# Altium PCB NFC-Reader.PcbDoc (part 2 of 3)
Units mil, origin at the board's own origin, x right, y up, seen from the top; angles counter-clockwise.
Board outline 3750 x 2300 mil, 4 copper layers (L1, L2 (GND), L3(PWR), L4), stack 61.583 mil thick; 132 components, 82 nets, 420 pads, 665 vias.
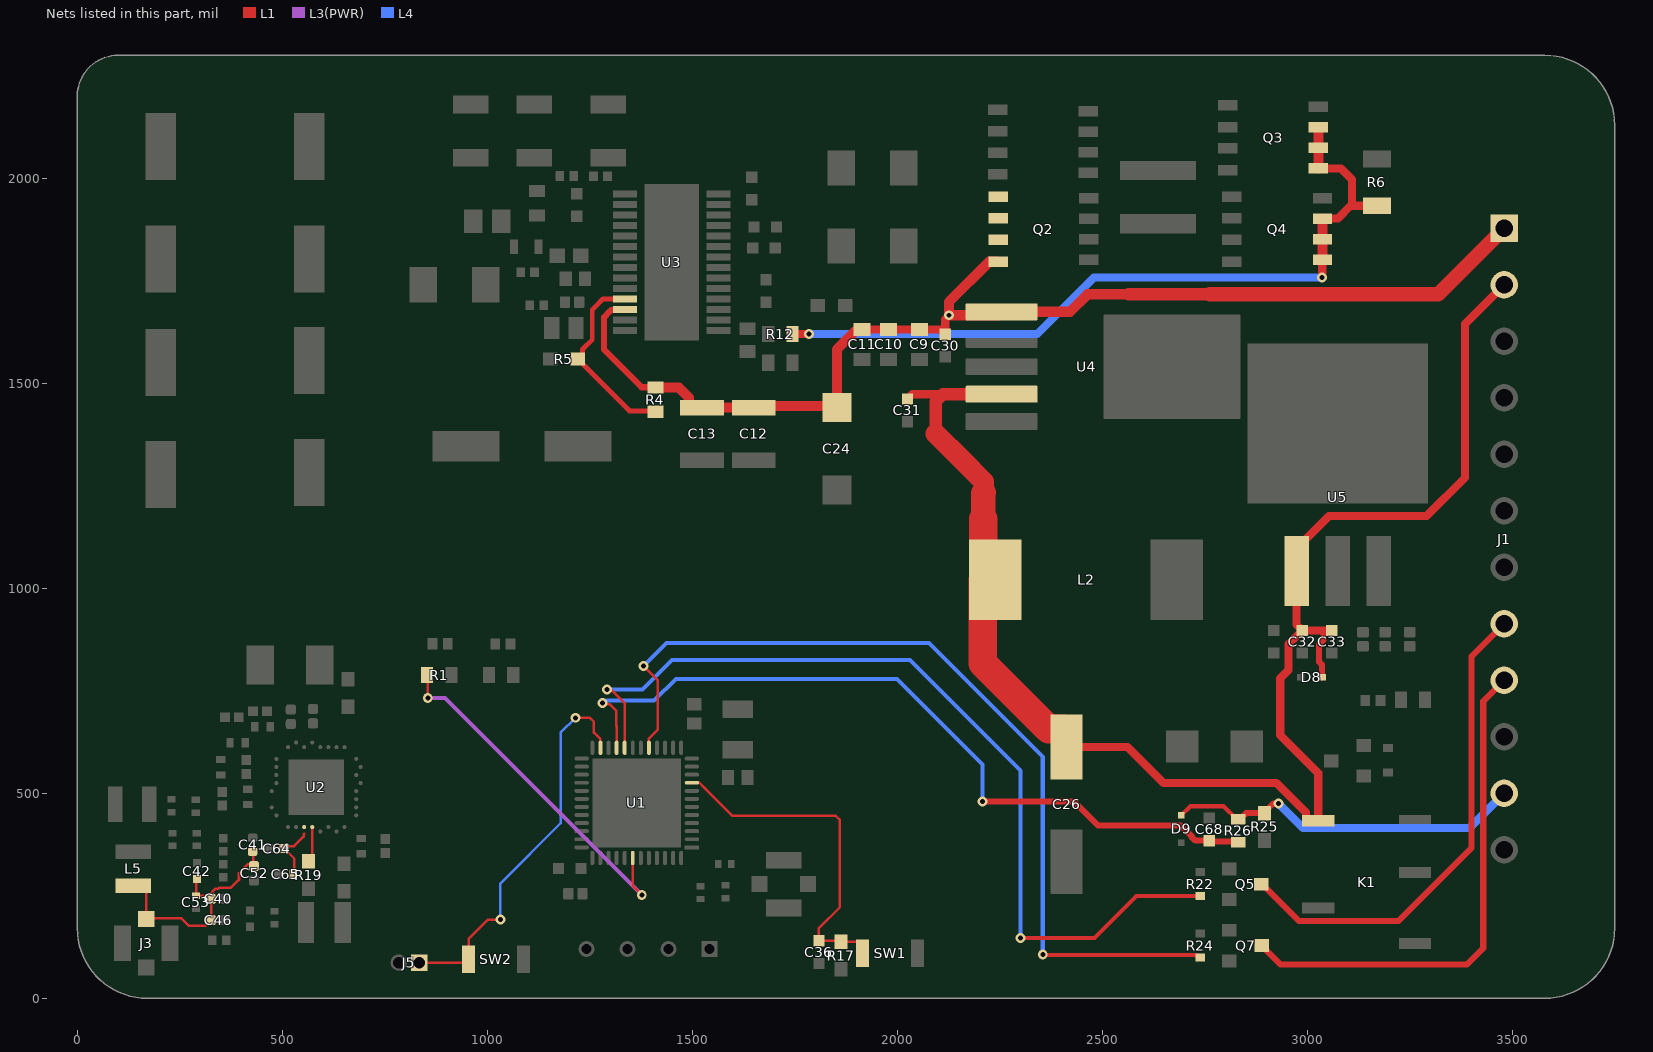
[diagram p4: the nets of this part, all layers, seen from the top]

## Part data (continued)
C18: library part C0603C153J3GACTU, "15nF ±5% 25V Ceramic Capacitor C0G, NP0 0603 (1608 Metric)", Case Code (Imperial)=0603, Case Code (Metric)=1608, Dielectric=C0G, Dielectric Material=Ceramic, Manufacturer=KEMET, Max Operating Temperature=125°C, Min Operating Temperature=-55°C, Temperature Coefficient=30ppm/°C, Tolerance=5%, Voltage=25V, Case/Package=0603, Category="Ceramic Capacitors", China RoHS=Compliant, ComponentLink1Description=https://datasheet.octopart.com:443/C0603C153J3GACTU-KEMET-datasheet-178132257.pdf?src-supplier=IHS, ComponentLink1URL=https://datasheet.octopart.com:443/C0603C153J3GACTU-KEMET-datasheet-178132257.pdf?src-supplier=IHS, ComponentLink2Description=https://datasheet.octopart.com:443/C0603C153J3GAC7867-KEMET-datasheet-10540709.pdf?src-supplier=IHS, ComponentLink2URL=https://datasheet.octopart.com:443/C0603C153J3GAC7867-KEMET-datasheet-10540709.pdf?src-supplier=IHS, ComponentLink3Description=https://datasheet.octopart.com:443/C0603C153J3GACTU-KEMET-datasheet-137357764.pdf?src-supplier=Upverter, ComponentLink3URL=https://datasheet.octopart.com:443/C0603C153J3GACTU-KEMET-datasheet-137357764.pdf?src-supplier=Upverter, ComponentLink4Description=https://datasheet.octopart.com:443/C0603C153J3GACTU-KEMET-datasheet-68331921.pdf?src-supplier=Farnell, ComponentLink4URL=https://datasheet.octopart.com:443/C0603C153J3GACTU-KEMET-datasheet-68331921.pdf?src-supplier=Farnell, ComponentLink5Description=https://datasheet.octopart.com:443/C0603C153J3GACTU-KEMET-datasheet-102648314.pdf?src-supplier=Farnell, ComponentLink5URL=https://datasheet.octopart.com:443/C0603C153J3GACTU-KEMET-datasheet-102648314.pdf?src-supplier=Farnell, ComponentLink6Description=https://datasheet.octopart.com:443/C0603C153J3GACTU-Kemet-datasheet-5308203.pdf?src-supplier=Farnell, ComponentLink6URL=https://datasheet.octopart.com:443/C0603C153J3GACTU-Kemet-datasheet-5308203.pdf?src-supplier=Farnell, ComponentLink7Description=https://datasheet.octopart.com:443/C0603C153J3GACTU-KEMET-datasheet-176289261.pdf?src-supplier=element14+APAC, ComponentLink7URL=https://datasheet.octopart.com:443/C0603C153J3GACTU-KEMET-datasheet-176289261.pdf?src-supplier=element14+APAC, ComponentLink8Description=https://datasheet.octopart.com:443/C0603C153J3GACTU-KEMET-datasheet-178087916.pdf?src-supplier=element14+APAC, ComponentLink8URL=https://datasheet.octopart.com:443/C0603C153J3GACTU-KEMET-datasheet-178087916.pdf?src-supplier=element14+APAC, ComponentLink9Description=https://datasheet.octopart.com:443/C0603C153J3GACTU-Kemet-datasheet-66093294.pdf?src-supplier=element14+APAC, ComponentLink9URL=https://datasheet.octopart.com:443/C0603C153J3GACTU-Kemet-datasheet-66093294.pdf?src-supplier=element14+APAC, ComponentLink10Description=https://datasheet.octopart.com:443/C0603C153J3GACTU-Kemet-datasheet-66634713.pdf?src-supplier=element14+APAC, ComponentLink10URL=https://datasheet.octopart.com:443/C0603C153J3GACTU-Kemet-datasheet-66634713.pdf?src-supplier=element14+APAC, ComponentLink11Description=https://datasheet.octopart.com:443/C0603C153J3GACTU-KEMET-datasheet-157246123.pdf?src-supplier=Electro+Sonic, ComponentLink11URL=https://datasheet.octopart.com:443/C0603C153J3GACTU-KEMET-datasheet-157246123.pdf?src-supplier=Electro+Sonic, ComponentLink12Description=https://datasheet.octopart.com:443/C0603C153J3GACTU-KEMET-datasheet-176142193.pdf?src-supplier=Newark, ComponentLink12URL=https://datasheet.octopart.com:443/C0603C153J3GACTU-KEMET-datasheet-176142193.pdf?src-supplier=Newark, ComponentLink13Description=https://datasheet.octopart.com:443/C0603C153J3GACTU-KEMET-datasheet-101575703.pdf?src-supplier=Newark, ComponentLink13URL=https://datasheet.octopart.com:443/C0603C153J3GACTU-KEMET-datasheet-101575703.pdf?src-supplier=Newark, ComponentLink14Description=https://datasheet.octopart.com:443/C0603C153J3GACTU-Kemet-datasheet-62307647.pdf?src-supplier=Newark, ComponentLink14URL=https://datasheet.octopart.com:443/C0603C153J3GACTU-Kemet-datasheet-62307647.pdf?src-supplier=Newark, ComponentLink15Description=https://datasheet.octopart.com:443/C0603C153J3GACTU-Kemet-datasheet-67830794.pdf?src-supplier=TME, ComponentLink15URL=https://datasheet.octopart.com:443/C0603C153J3GACTU-Kemet-datasheet-67830794.pdf?src-supplier=TME, ComponentLink16Description=https://datasheet.octopart.com/C0603C153J3GACTU-KEMET-datasheet-84169754.pdf, ComponentLink16URL=https://datasheet.octopart.com/C0603C153J3GACTU-KEMET-datasheet-84169754.pdf, ComponentLink17Description=https://datasheet.octopart.com:443/C0603C153J3GACTU-Kemet-datasheet-60243840.pdf?src-supplier=RS+(Formerly+Allied+Electronics), ComponentLink17URL=https://datasheet.octopart.com:443/C0603C153J3GACTU-Kemet-datasheet-60243840.pdf?src-supplier=RS+(Formerly+Allied+Electronics), Contact Plating=Tin, Depth=800µm, Dissipation Factor=0.1%, Height=800µm, Lead Free="Lead Free", Length=1.6mm, Lifecycle Status=Production, Manufacturer Part Number=C0603C153J3GACTU, Material=Ceramic, Mounting Technology="Surface Mount", Number of Terminals=2, Packaging="Cut Tape", Pins=2, Pricing="1=0.37, 10=0.221, 50=0.163, 100=0.1376, 500=0.10484, 1000=0.0951 (USD)", REACH SVHC=Yes, RoHS=Compliant, Schedule B="8532240020, 8532240020|8532240020, 8532240020|8532240020|8532240020, 8532240020|8532240020|8532240020|8532240020", Stock=20065, Supplier=DigiKey, Termination=SMD/SMT, Thickness=863.6µm, Voltage Rating=25V, Voltage Rating (DC)=25V, Width=800µm
C19: library part KGM15ACG1H470JT, "47 pF ±5% 50V Ceramic Capacitor C0G, NP0 0603 (1608 Metric)", Dielectric Material=Ceramic, LCSC PN=C513324, Manufacturer="KYOCERA AVX", Max Operating Temperature=125°C, Min Operating Temperature=-55°C, Voltage Rating (DC)=50V, Category="Ceramic Capacitors", China RoHS=Compliant, ComponentLink1Description=https://datasheet.octopart.com:443/KGM15ACG1H470JT-KYOCERA-AVX-datasheet-182064292.pdf?src-supplier=IHS, ComponentLink1URL=https://datasheet.octopart.com:443/KGM15ACG1H470JT-KYOCERA-AVX-datasheet-182064292.pdf?src-supplier=IHS, ComponentLink2Description=https://datasheet.octopart.com:443/KGM15ACG1H470JT-KYOCERA-AVX-datasheet-178027269.pdf?src-supplier=TME, ComponentLink2URL=https://datasheet.octopart.com:443/KGM15ACG1H470JT-KYOCERA-AVX-datasheet-178027269.pdf?src-supplier=TME, Height=900µm, Length=1.6mm, Lifecycle Status=Production, Manufacturer Part Number=KGM15ACG1H470JT, Mounting Technology="Surface Mount", Number of Terminals=2, Pricing="1=0.1, 10=0.038, 50=0.0258, 100=0.0221, 500=0.0159, 1000=0.014 (USD)", REACH SVHC=Yes, RoHS=Compliant, Stock=45031, Supplier=DigiKey, Width=810µm
C21: library part CGA2B3X7R1H103K050BE, "10000 pF ±10% 50V Ceramic Capacitor X7R 0402 (1005 Metric)", Case Code (Imperial)=0402, Case Code (Metric)=1005, Dielectric Material=Ceramic, LCSC PN=C248318, Manufacturer=TDK, Manufacturer Lifecycle Status=PRODUCTION, Max Operating Temperature=125°C, Min Operating Temperature=-55°C, Ratings=AEC-Q200, Tolerance=10%, Voltage Rating=50V, Case/Package=0402, Category="Ceramic Capacitors", China RoHS=Compliant, ComponentLink1Description=https://datasheet.octopart.com:443/CGA2B3X7R1H103K050BE-TDK-datasheet-153441518.pdf?src-supplier=ODG+(Origin+Data+Global), ComponentLink1URL=https://datasheet.octopart.com:443/CGA2B3X7R1H103K050BE-TDK-datasheet-153441518.pdf?src-supplier=ODG+(Origin+Data+Global), ComponentLink2Description=https://datasheet.octopart.com:443/CGA2B3X7R1H103K050BE-TDK-datasheet-57863114.pdf?src-supplier=Upverter, ComponentLink2URL=https://datasheet.octopart.com:443/CGA2B3X7R1H103K050BE-TDK-datasheet-57863114.pdf?src-supplier=Upverter, ComponentLink3Description=https://datasheet.octopart.com:443/CGA2B3X7R1H103K050BE-TDK-datasheet-165583812.pdf?src-supplier=TME, ComponentLink3URL=https://datasheet.octopart.com:443/CGA2B3X7R1H103K050BE-TDK-datasheet-165583812.pdf?src-supplier=TME, ComponentLink4Description=https://datasheet.octopart.com:443/CGA2B3X7R1H103K050BE-TDK-datasheet-41194876.pdf?src-supplier=Future+Electronics, ComponentLink4URL=https://datasheet.octopart.com:443/CGA2B3X7R1H103K050BE-TDK-datasheet-41194876.pdf?src-supplier=Future+Electronics, Features="Soft Termination", Height=500µm, Length=1mm, Lifecycle Status=Production, Manufacturer Part Number=CGA2B3X7R1H103K050BE, Material=Ceramic, Max Length=1.15mm, Max Width=600µm, Min Length=950µm, Min Width=450µm, Mounting Technology="Surface Mount", Number of Terminals=2, Pricing="1=0.16, 10=0.089, 50=0.0628, 100=0.0548, 500=0.0413, 1000=0.03714, 2500=0.03276, 5000=0.03082, 10000=0.02851, 20000=0.02751, 30000=0.02335, 50000=0.02244, 70000=0.02239 (USD)", REACH SVHC=Yes, RoHS=Compliant, Schedule B="8532240020, 8532240020|8532240020, 8532240020|8532240020|8532240020, 8532240020|8532240020|8532240020|8532240020", Stock=148551, Supplier=DigiKey, Thickness=609.6µm, Voltage Rating (DC)=50V, Width=500µm
C22: library part C0805C181K5GACTU, "180 pF ±10% 50V Ceramic Capacitor C0G, NP0 0805 (2012 Metric)", Case Code (Imperial)=0805, Case Code (Metric)=2012, Dielectric=C0G, Dielectric Material=Ceramic, LCSC PN=C2168955, Manufacturer=KEMET, Max Operating Temperature=125°C, Min Operating Temperature=-55°C, Temperature Coefficient=30ppm/°C, Tolerance=10%, Voltage Rating=50V, Case/Package=0805, Category="Ceramic Capacitors", China RoHS=Compliant, ComponentLink1Description=https://datasheet.octopart.com:443/C0805C181K5GACTU-KEMET-datasheet-178132257.pdf?src-supplier=IHS, ComponentLink1URL=https://datasheet.octopart.com:443/C0805C181K5GACTU-KEMET-datasheet-178132257.pdf?src-supplier=IHS, ComponentLink2Description=https://datasheet.octopart.com:443/C0805C181K5GAC7800-KEMET-datasheet-182041591.pdf?src-supplier=IHS, ComponentLink2URL=https://datasheet.octopart.com:443/C0805C181K5GAC7800-KEMET-datasheet-182041591.pdf?src-supplier=IHS, ComponentLink3Description=https://datasheet.octopart.com:443/C0805C181K5GACTU-KEMET-datasheet-68331921.pdf?src-supplier=Upverter, ComponentLink3URL=https://datasheet.octopart.com:443/C0805C181K5GACTU-KEMET-datasheet-68331921.pdf?src-supplier=Upverter, ComponentLink4Description=https://datasheet.octopart.com:443/C0805C181K5GACTU-KEMET-datasheet-86780271.pdf?src-supplier=Newark, ComponentLink4URL=https://datasheet.octopart.com:443/C0805C181K5GACTU-KEMET-datasheet-86780271.pdf?src-supplier=Newark, ComponentLink5Description=https://datasheet.octopart.com:443/C0805C181K5GACTU-KEMET-datasheet-176289624.pdf?src-supplier=Newark, ComponentLink5URL=https://datasheet.octopart.com:443/C0805C181K5GACTU-KEMET-datasheet-176289624.pdf?src-supplier=Newark, ComponentLink6Description=https://datasheet.octopart.com:443/C0805C181K5GACTU-Kemet-datasheet-27203262.pdf?src-supplier=Newark, ComponentLink6URL=https://datasheet.octopart.com:443/C0805C181K5GACTU-Kemet-datasheet-27203262.pdf?src-supplier=Newark, ComponentLink7Description=https://datasheet.octopart.com:443/C0805C181K5GACTU-Kemet-datasheet-10540709.pdf?src-supplier=Newark, ComponentLink7URL=https://datasheet.octopart.com:443/C0805C181K5GACTU-Kemet-datasheet-10540709.pdf?src-supplier=Newark, ComponentLink8Description=https://datasheet.octopart.com:443/C0805C181K5GACTU-KEMET-datasheet-86453355.pdf?src-supplier=Farnell, ComponentLink8URL=https://datasheet.octopart.com:443/C0805C181K5GACTU-KEMET-datasheet-86453355.pdf?src-supplier=Farnell, ComponentLink9Description=https://datasheet.octopart.com:443/C0805C181K5GACTU-KEMET-datasheet-149533543.pdf?src-supplier=Farnell, ComponentLink9URL=https://datasheet.octopart.com:443/C0805C181K5GACTU-KEMET-datasheet-149533543.pdf?src-supplier=Farnell, ComponentLink10Description=https://datasheet.octopart.com:443/C0805C181K5GACTU-KEMET-datasheet-68494377.pdf?src-supplier=element14+APAC, ComponentLink10URL=https://datasheet.octopart.com:443/C0805C181K5GACTU-KEMET-datasheet-68494377.pdf?src-supplier=element14+APAC, ComponentLink11Description=https://datasheet.octopart.com:443/C0805C181K5GACTU-KEMET-datasheet-37178240.pdf?src-supplier=Electro+Sonic, ComponentLink11URL=https://datasheet.octopart.com:443/C0805C181K5GACTU-KEMET-datasheet-37178240.pdf?src-supplier=Electro+Sonic, ComponentLink12Description=https://datasheet.octopart.com/C0805C181K5GACTU-KEMET-datasheet-84169754.pdf, ComponentLink12URL=https://datasheet.octopart.com/C0805C181K5GACTU-KEMET-datasheet-84169754.pdf, Depth=1.25mm, Dissipation Factor=0.1%, Height=780µm, Lead Free="Lead Free", Lead Pitch=750µm, Length=2mm, Lifecycle Status=Production, Manufacturer Part Number=C0805C181K5GACTU, Material=Ceramic, Mounting Technology="Surface Mount", Number of Terminals=2, Packaging="Cut Tape", Pricing="1=0.23, 10=0.11, 50=0.0658, 100=0.0518, 500=0.04024 (USD)", Radiation Hardening=No, REACH SVHC=Yes, RoHS=Compliant, Schedule B="8532240020, 8532240020|8532240020|8532240020|8532240020|8532240020", Stock=25815, Supplier=DigiKey, Termination=SMD/SMT, Thickness=889µm, Voltage Rating (DC)=50V, Width=1.25mm
C23: library part CL10C121JB8NNNC, "120 pF ±5% 50V Ceramic Capacitor C0G, NP0 0603 (1608 Metric)", Case Code (Imperial)=0603, Case Code (Metric)=1608, Dielectric=C0G, Dielectric Material=Ceramic, LCSC PN=C18438, Manufacturer="Samsung Electro-Mechanics", Max Operating Temperature=125°C, Min Operating Temperature=-55°C, Temperature Coefficient=30ppm/°C, Tolerance=5%, Voltage=50V, Case/Package=0603, Category="Ceramic Capacitors", China RoHS=Compliant, ComponentLink1Description=https://datasheet.octopart.com:443/CL10C121JB8NNNC-Samsung-Electro-Mechanics-datasheet-136482399.pdf?src-supplier=IHS, ComponentLink1URL=https://datasheet.octopart.com:443/CL10C121JB8NNNC-Samsung-Electro-Mechanics-datasheet-136482399.pdf?src-supplier=IHS, ComponentLink2Description=https://datasheet.octopart.com/CL10C121JB8NNNC-Samsung-Electro-Mechanics-datasheet-8324245.pdf, ComponentLink2URL=https://datasheet.octopart.com/CL10C121JB8NNNC-Samsung-Electro-Mechanics-datasheet-8324245.pdf, ComponentLink3Description=https://datasheet.octopart.com/CL10C121JB8NNNC-Samsung-Electro-Mechanics-datasheet-97040617.pdf, ComponentLink3URL=https://datasheet.octopart.com/CL10C121JB8NNNC-Samsung-Electro-Mechanics-datasheet-97040617.pdf, ComponentLink4Description=https://datasheet.octopart.com/General-Multilayer-Ceramic-Capacitors-Samsung-datasheet-family-111.pdf, ComponentLink4URL=https://datasheet.octopart.com/General-Multilayer-Ceramic-Capacitors-Samsung-datasheet-family-111.pdf, ComponentLink5Description=https://datasheet.octopart.com:443/CL10C121JB8NNNC-Samsung-Electro-Mechanics-datasheet-110226337.pdf?src-supplier=Future+Electronics, ComponentLink5URL=https://datasheet.octopart.com:443/CL10C121JB8NNNC-Samsung-Electro-Mechanics-datasheet-110226337.pdf?src-supplier=Future+Electronics, ComponentLink6Description=https://datasheet.octopart.com:443/CL10C121JB8NNNC-Samsung-Electro-Mechanics-datasheet-81461980.pdf?src-supplier=Future+Electronics, ComponentLink6URL=https://datasheet.octopart.com:443/CL10C121JB8NNNC-Samsung-Electro-Mechanics-datasheet-81461980.pdf?src-supplier=Future+Electronics, ComponentLink7Description=https://datasheet.octopart.com:443/CL10C121JB8NNNC-Samsung-datasheet-42280544.pdf?src-supplier=Future+Electronics, ComponentLink7URL=https://datasheet.octopart.com:443/CL10C121JB8NNNC-Samsung-datasheet-42280544.pdf?src-supplier=Future+Electronics, ComponentLink8Description=https://datasheet.octopart.com:443/CL10C121JB8NNNC-Samsung-datasheet-26669124.pdf?src-supplier=Future+Electronics, ComponentLink8URL=https://datasheet.octopart.com:443/CL10C121JB8NNNC-Samsung-datasheet-26669124.pdf?src-supplier=Future+Electronics, ComponentLink9Description=https://datasheet.octopart.com:443/CL10C121JB8NNNC-Samsung-Electro-Mechanics-datasheet-149154142.pdf?src-supplier=Future+Electronics, ComponentLink9URL=https://datasheet.octopart.com:443/CL10C121JB8NNNC-Samsung-Electro-Mechanics-datasheet-149154142.pdf?src-supplier=Future+Electronics, ComponentLink10Description=https://datasheet.octopart.com:443/CL10C121JB8NNNC-Samsung-datasheet-8326407.pdf?src-supplier=TME, ComponentLink10URL=https://datasheet.octopart.com:443/CL10C121JB8NNNC-Samsung-datasheet-8326407.pdf?src-supplier=TME, ComponentLink11Description=https://datasheet.octopart.com:443/CL10C121JB8NNNC-Samsung-Electro-Mechanics-datasheet-11541288.pdf?src-supplier=Arrow+Electronics, ComponentLink11URL=https://datasheet.octopart.com:443/CL10C121JB8NNNC-Samsung-Electro-Mechanics-datasheet-11541288.pdf?src-supplier=Arrow+Electronics, ComponentLink12Description=http://sigma.octopart.com:80/rohs_certificate/General-Multilayer-Ceramic-Capacitors-Samsung-family-110.pdf?src-supplier=Compliance+Statements, ComponentLink12URL=http://sigma.octopart.com:80/rohs_certificate/General-Multilayer-Ceramic-Capacitors-Samsung-family-110.pdf?src-supplier=Compliance+Statements, ComponentLink13Description=http://sigma.octopart.com:80/rohs_statement/General-Multilayer-Ceramic-Capacitors-Samsung-family-132.pdf?src-supplier=Compliance+Statements, ComponentLink13URL=http://sigma.octopart.com:80/rohs_statement/General-Multilayer-Ceramic-Capacitors-Samsung-family-132.pdf?src-supplier=Compliance+Statements, ComponentLink14Description=http://sigma.octopart.com:80/reach_statement/General-Multilayer-Ceramic-Capacitors-Samsung-family-133.pdf?src-supplier=Compliance+Statements, ComponentLink14URL=http://sigma.octopart.com:80/reach_statement/General-Multilayer-Ceramic-Capacitors-Samsung-family-133.pdf?src-supplier=Compliance+Statements, Contact Plating=Tin, Depth=800µm, Height=900µm, Length=1.6mm, Lifecycle Status=Production, Manufacturer Part Number=CL10C121JB8NNNC, Material=Ceramic, Mounting Technology="Surface Mount", Number of Terminals=2, Pricing="1=0.1, 10=0.033, 50=0.0222, 100=0.019, 500=0.01358, 1000=0.01191, 4000=0.00553, 8000=0.00548, 12000=0.00544, 20000=0.00539, 28000=0.00536, 40000=0.00534, 48000=0.00532, 96000=0.00528, 100000=0.00528 (USD)", Radiation Hardening=No, REACH SVHC=Yes, RoHS=Compliant, Schedule B="8532240020, 8532240020|8532240020, 8532240020|8532240020|8532240020, 8532240020|8532240020|8532240020|8532240020", Stock=128945, Supplier=DigiKey, Thickness=889µm, Voltage Rating=50V, Voltage Rating (DC)=50V, Width=800µm
C24: library part EEEFP1C101AV, "100 µF 16 V Aluminum Electrolytic Capacitors Radial, Can - SMD 260mOhm @ 100kHz 2000 Hrs @ 105°C", ESR (Equivalent Series Resistance)=260mΩ, LCSC PN=C3829571, Leakage Current=16µA, Manufacturer=Panasonic, Max Operating Temperature=105°C, Min Operating Temperature=-55°C, Ripple Current=195mA, Voltage Rating (DC)=16V, Category="Aluminum Electrolytic Capacitors", ComponentLink1Description=https://datasheet.octopart.com:443/EEEFP1C101AV-Panasonic-datasheet-182100943.pdf?src-supplier=IHS, ComponentLink1URL=https://datasheet.octopart.com:443/EEEFP1C101AV-Panasonic-datasheet-182100943.pdf?src-supplier=IHS, ComponentLink2Description=https://datasheet.octopart.com:443/EEEFP1C101AV-Panasonic-datasheet-66433925.pdf?src-supplier=TME, ComponentLink2URL=https://datasheet.octopart.com:443/EEEFP1C101AV-Panasonic-datasheet-66433925.pdf?src-supplier=TME, ComponentLink3Description=https://datasheet.octopart.com:443/EEE-FP1C101AV-Panasonic-datasheet-136348056.pdf?src-supplier=Electro+Sonic, ComponentLink3URL=https://datasheet.octopart.com:443/EEE-FP1C101AV-Panasonic-datasheet-136348056.pdf?src-supplier=Electro+Sonic, ComponentLink4Description=https://datasheet.octopart.com:443/EEE-FP1C101AV-Panasonic-datasheet-136612397.pdf?src-supplier=Electro+Sonic, ComponentLink4URL=https://datasheet.octopart.com:443/EEE-FP1C101AV-Panasonic-datasheet-136612397.pdf?src-supplier=Electro+Sonic, ComponentLink5Description=https://sigma.octopart.com:443/150570760/technical_drawing/Panasonic-EEEFP1C101AV.pdf?src-supplier=Panasonic+SCT, ComponentLink5URL=https://sigma.octopart.com:443/150570760/technical_drawing/Panasonic-EEEFP1C101AV.pdf?src-supplier=Panasonic+SCT, Diameter=6.3mm, Height=6.1mm, Length=6.6mm, Lifecycle Status=Production, Manufacturer Part Number=EEEFP1C101AV, Mounting Technology="Surface Mount", Number of Terminals=2, Pricing="1=1.22, 10=0.78, 50=0.5968, 100=0.5387, 500=0.43876, 1000=0.41502, 2000=0.38836, 3000=0.37491, 5000=0.35991, 7000=0.3511, 10000=0.34259, 12000=0.33854, 24000=0.32485, 25000=0.32412 (USD)", REACH SVHC=Yes, RoHS=Compliant, Supplier=DigiKey, Width=6.6mm
C26: library part EEE-FP0J102AL, "1000 µF 6.3 V Aluminum Electrolytic Capacitors Radial, Can - SMD 80mOhm @ 100kHz 2000 Hrs @ 105°C", ESR (Equivalent Series Resistance)=80mΩ, LCSC PN=C1881616, Leakage Current=63µA, Manufacturer=Panasonic, Max Operating Temperature=105°C, Min Operating Temperature=-55°C, Ripple Current=595mA, Voltage Rating (DC)=6.3V, Category="Aluminum Electrolytic Capacitors", ComponentLink1Description=https://datasheet.octopart.com:443/EEEFP0J102AL-Panasonic-datasheet-166314007.pdf?src-supplier=Farnell, ComponentLink1URL=https://datasheet.octopart.com:443/EEEFP0J102AL-Panasonic-datasheet-166314007.pdf?src-supplier=Farnell, ComponentLink2Description=https://datasheet.octopart.com:443/EEE-FP0J102AL-Panasonic-datasheet-147569660.pdf?src-supplier=Electro+Sonic, ComponentLink2URL=https://datasheet.octopart.com:443/EEE-FP0J102AL-Panasonic-datasheet-147569660.pdf?src-supplier=Electro+Sonic, ComponentLink3Description=https://datasheet.octopart.com:443/EEEFP0J102AL-Panasonic-datasheet-150570767.pdf?src-supplier=Panasonic+SCT, ComponentLink3URL=https://datasheet.octopart.com:443/EEEFP0J102AL-Panasonic-datasheet-150570767.pdf?src-supplier=Panasonic+SCT, ComponentLink4Description=https://sigma.octopart.com:443/150570760/technical_drawing/Panasonic-EEEFP0J102AL.pdf?src-supplier=Panasonic+SCT, ComponentLink4URL=https://sigma.octopart.com:443/150570760/technical_drawing/Panasonic-EEEFP0J102AL.pdf?src-supplier=Panasonic+SCT, Diameter=8mm, Height=10.2mm, Length=8.3mm, Lifecycle Status=Production, Manufacturer Part Number=EEE-FP0J102AL, Mounting Technology="Surface Mount", Number of Terminals=2, Pricing="1=1.12, 10=0.713, 50=0.5436, 100=0.4899, 500=0.40504, 1000=0.37537, 1500=0.36039, 2500=0.34368, 3500=0.33387, 5000=0.32438, 6000=0.31988, 12000=0.30461, 12500=0.3038 (USD)", REACH SVHC=Yes, RoHS=Compliant, Schedule B="8532220020, 8532220020|8532220020|8532220020|8532220020|8532220020|8532220020|8532220020|8532220020|8532220020|8532220020|8532220020|8532220020|8532220020|8532220020|8532220020|8532220020|8532220020|8532220020|8532220020|8532220020|8532220020|8532220020|8532220020|85", Stock=2934, Supplier=DigiKey, Width=8.3mm
C27 C28 C29: library part CL05A475MO5NUNC, "4.7 µF ±20% 16V Ceramic Capacitor X5R 0402 (1005 Metric)", Case Code (Imperial)=0402, Case Code (Metric)=1005, Dielectric=X5R, Dielectric Material=Ceramic, LCSC Part Number=C318563, Manufacturer="Samsung Electro-Mechanics", Max Operating Temperature=85°C, Min Operating Temperature=-55°C, Tolerance=20%, Voltage Rating=16V, Case/Package=0402, Category="Ceramic Capacitors", China RoHS=Compliant, ComponentLink1Description=https://datasheet.octopart.com:443/CL05A475MO5NUNC-Samsung-Electro-Mechanics-datasheet-178175196.pdf?src-supplier=Farnell, ComponentLink1URL=https://datasheet.octopart.com:443/CL05A475MO5NUNC-Samsung-Electro-Mechanics-datasheet-178175196.pdf?src-supplier=Farnell, ComponentLink2Description=https://datasheet.octopart.com:443/CL05A475MO5NUNC-Samsung-Electro-Mechanics-datasheet-123102911.pdf?src-supplier=Future+Electronics, ComponentLink2URL=https://datasheet.octopart.com:443/CL05A475MO5NUNC-Samsung-Electro-Mechanics-datasheet-123102911.pdf?src-supplier=Future+Electronics, ComponentLink3Description=https://datasheet.octopart.com:443/CL05A475MO5NUNC-Samsung-Electro-Mechanics-datasheet-110226225.pdf?src-supplier=Future+Electronics, ComponentLink3URL=https://datasheet.octopart.com:443/CL05A475MO5NUNC-Samsung-Electro-Mechanics-datasheet-110226225.pdf?src-supplier=Future+Electronics, ComponentLink4Description=https://datasheet.octopart.com:443/CL05A475MO5NUNC-Samsung-Electro-Mechanics-datasheet-83567908.pdf?src-supplier=Future+Electronics, ComponentLink4URL=https://datasheet.octopart.com:443/CL05A475MO5NUNC-Samsung-Electro-Mechanics-datasheet-83567908.pdf?src-supplier=Future+Electronics, ComponentLink5Description=https://datasheet.octopart.com:443/CL05A475MO5NUNC-Samsung-Electro-Mechanics-datasheet-68297032.pdf?src-supplier=Future+Electronics, ComponentLink5URL=https://datasheet.octopart.com:443/CL05A475MO5NUNC-Samsung-Electro-Mechanics-datasheet-68297032.pdf?src-supplier=Future+Electronics, ComponentLink6Description=https://datasheet.octopart.com:443/CL05A475MO5NUNC-Samsung-Electro-Mechanics-datasheet-87580057.pdf?src-supplier=Future+Electronics, ComponentLink6URL=https://datasheet.octopart.com:443/CL05A475MO5NUNC-Samsung-Electro-Mechanics-datasheet-87580057.pdf?src-supplier=Future+Electronics, ComponentLink7Description=https://datasheet.octopart.com:443/CL05A475MO5NUNC-Samsung-Electro-Mechanics-datasheet-149136694.pdf?src-supplier=Future+Electronics, ComponentLink7URL=https://datasheet.octopart.com:443/CL05A475MO5NUNC-Samsung-Electro-Mechanics-datasheet-149136694.pdf?src-supplier=Future+Electronics, Height=500µm, Length=1mm, Lifecycle Status=Production, Manufacturer Part Number=CL05A475MO5NUNC, Material=Ceramic, Mounting Technology="Surface Mount", Number of Terminals=2, Pricing="1=0.12, 10=0.084 (USD)", REACH SVHC=Yes, RoHS=Compliant, Schedule B="8532240020, 8532240020|8532240020, 8532240020|8532240020|8532240020, 8532240020|8532240020|8532240020|8532240020", Stock=135039, Supplier=DigiKey, Thickness=558.8µm, Voltage Rating (DC)=16V, Width=500µm
C34: library part CL05A106MP8NUB8, "10 µF ±20% 10V Ceramic Capacitor X5R 0402 (1005 Metric)", Case Code (Imperial)=0402, Case Code (Metric)=1005, Dielectric Material=Ceramic, LCSC Part Number=C307415, Manufacturer="Samsung Electro-Mechanics", Max Operating Temperature=85°C, Min Operating Temperature=-55°C, Tolerance=20%, Voltage Rating=10V, Case/Package=0402, Category="Ceramic Capacitors", China RoHS=Compliant, ComponentLink1Description=https://datasheet.octopart.com:443/CL05A106MP8NUB8-Samsung-Electro-Mechanics-datasheet-136460857.pdf?src-supplier=IHS, ComponentLink1URL=https://datasheet.octopart.com:443/CL05A106MP8NUB8-Samsung-Electro-Mechanics-datasheet-136460857.pdf?src-supplier=IHS, ComponentLink2Description=https://datasheet.octopart.com:443/CL05A106MP8NUB8-Samsung-Electro-Mechanics-datasheet-181551178.pdf?src-supplier=Newark, ComponentLink2URL=https://datasheet.octopart.com:443/CL05A106MP8NUB8-Samsung-Electro-Mechanics-datasheet-181551178.pdf?src-supplier=Newark, ComponentLink3Description=https://datasheet.octopart.com:443/CL05A106MP8NUB8-Samsung-Electro-Mechanics-datasheet-136031724.pdf?src-supplier=Newark, ComponentLink3URL=https://datasheet.octopart.com:443/CL05A106MP8NUB8-Samsung-Electro-Mechanics-datasheet-136031724.pdf?src-supplier=Newark, ComponentLink4Description=https://datasheet.octopart.com:443/CL05A106MP8NUB8-Samsung-Electro-Mechanics-datasheet-141346815.pdf?src-supplier=Samsung+SCT, ComponentLink4URL=https://datasheet.octopart.com:443/CL05A106MP8NUB8-Samsung-Electro-Mechanics-datasheet-141346815.pdf?src-supplier=Samsung+SCT, ComponentLink5Description=https://datasheet.octopart.com:443/CL05A106MP8NUB8-Samsung-Electro-Mechanics-datasheet-110326781.pdf?src-supplier=Future+Electronics, ComponentLink5URL=https://datasheet.octopart.com:443/CL05A106MP8NUB8-Samsung-Electro-Mechanics-datasheet-110326781.pdf?src-supplier=Future+Electronics, ComponentLink6Description=https://datasheet.octopart.com:443/CL05A106MP8NUB8-Samsung-Electro-Mechanics-datasheet-96443587.pdf?src-supplier=Future+Electronics, ComponentLink6URL=https://datasheet.octopart.com:443/CL05A106MP8NUB8-Samsung-Electro-Mechanics-datasheet-96443587.pdf?src-supplier=Future+Electronics, ComponentLink7Description=https://datasheet.octopart.com:443/CL05A106MP8NUB8-Samsung-Electro-Mechanics-datasheet-68297032.pdf?src-supplier=Future+Electronics, ComponentLink7URL=https://datasheet.octopart.com:443/CL05A106MP8NUB8-Samsung-Electro-Mechanics-datasheet-68297032.pdf?src-supplier=Future+Electronics, ComponentLink8Description=https://datasheet.octopart.com:443/CL05A106MP8NUB8-Samsung-Electro-Mechanics-datasheet-86032222.pdf?src-supplier=Future+Electronics, ComponentLink8URL=https://datasheet.octopart.com:443/CL05A106MP8NUB8-Samsung-Electro-Mechanics-datasheet-86032222.pdf?src-supplier=Future+Electronics, Height=800µm, Length=1mm, Lifecycle Status=Production, Manufacturer Part Number=CL05A106MP8NUB8, Material=Ceramic, Mounting Technology="Surface Mount", Number of Terminals=2, Pricing="1=0.13, 10=0.077, 50=0.0678 (USD)", REACH SVHC=Yes, RoHS=Compliant, Schedule B="8532240020, 8532240020|8532240020, 8532240020|8532240020|8532240020, 8532240020|8532240020|8532240020|8532240020", Supplier=DigiKey, Thickness=889µm, Voltage Rating (DC)=10V, Width=500µm
C37 C38 C39: library part GCM1555C1H271JA16D, "270 pF ±5% 50V Ceramic Capacitor C0G, NP0 0402 (1005 Metric)", Case Code (Imperial)=0402, Case Code (Metric)=1005, Dielectric=C0G, Dielectric Material=Ceramic, LCSC PN=C524551, Manufacturer=Murata, Manufacturer Lifecycle Status="IN PRODUCTION", Max Operating Temperature=125°C, Min Operating Temperature=-55°C, Ratings=AEC-Q200, Temperature Coefficient=30ppm/°C, Tolerance=5%, Voltage Rating=50V, Case/Package=0402, Category="Ceramic Capacitors", ComponentLink1Description=https://datasheet.octopart.com:443/GCM1555C1H271JA16D-Murata-datasheet-149522333.pdf?src-supplier=Newark, ComponentLink1URL=https://datasheet.octopart.com:443/GCM1555C1H271JA16D-Murata-datasheet-149522333.pdf?src-supplier=Newark, ComponentLink2Description=https://datasheet.octopart.com:443/GCM1555C1H271JA16D-Murata-datasheet-141265891.pdf?src-supplier=Geoflip, ComponentLink2URL=https://datasheet.octopart.com:443/GCM1555C1H271JA16D-Murata-datasheet-141265891.pdf?src-supplier=Geoflip, ComponentLink3Description=https://datasheet.octopart.com:443/GCM1555C1H271JA16D-Murata-datasheet-178527090.pdf?src-supplier=Arrow.cn, ComponentLink3URL=https://datasheet.octopart.com:443/GCM1555C1H271JA16D-Murata-datasheet-178527090.pdf?src-supplier=Arrow.cn, ComponentLink4Description=https://datasheet.octopart.com:443/GCM1555C1H271JA16D-Murata-datasheet-140656005.pdf?src-supplier=Ciiva, ComponentLink4URL=https://datasheet.octopart.com:443/GCM1555C1H271JA16D-Murata-datasheet-140656005.pdf?src-supplier=Ciiva, ComponentLink5Description=https://datasheet.octopart.com:443/GCM1555C1H271JA16D-Murata-datasheet-138715700.pdf?src-supplier=Ciiva, ComponentLink5URL=https://datasheet.octopart.com:443/GCM1555C1H271JA16D-Murata-datasheet-138715700.pdf?src-supplier=Ciiva, ComponentLink6Description=https://datasheet.octopart.com:443/GCM1555C1H271JA16D-Murata-datasheet-128592787.pdf?src-supplier=X-ON, ComponentLink6URL=https://datasheet.octopart.com:443/GCM1555C1H271JA16D-Murata-datasheet-128592787.pdf?src-supplier=X-ON, ComponentLink7Description=https://datasheet.octopart.com:443/GCM1555C1H271JA16D-Murata-datasheet-11767037.pdf?src-supplier=Arrow+Electronics, ComponentLink7URL=https://datasheet.octopart.com:443/GCM1555C1H271JA16D-Murata-datasheet-11767037.pdf?src-supplier=Arrow+Electronics, ComponentLink8Description=https://datasheet.octopart.com:443/GCM1555C1H271JA16D-Murata-datasheet-12511495.pdf?src-supplier=TME, ComponentLink8URL=https://datasheet.octopart.com:443/GCM1555C1H271JA16D-Murata-datasheet-12511495.pdf?src-supplier=TME, ComponentLink9Description=https://datasheet.octopart.com/GCM1555C1H271JA16D-Murata-datasheet-14404338.pdf, ComponentLink9URL=https://datasheet.octopart.com/GCM1555C1H271JA16D-Murata-datasheet-14404338.pdf, ComponentLink10Description=http://sigma.octopart.com:80/reach_statement/Murata-company-16.pdf?src-supplier=Compliance+Statements, ComponentLink10URL=http://sigma.octopart.com:80/reach_statement/Murata-company-16.pdf?src-supplier=Compliance+Statements, Depth=500µm, Height=500µm, Length=1mm, Lifecycle Status=Production, Manufacturer Part Number=GCM1555C1H271JA16D, Material=Ceramic, Mounting Technology="Surface Mount", Number of Terminals=2, Packaging="Tape & Reel", Pricing="1=0.1, 10=0.039, 50=0.0262, 100=0.0224, 500=0.0161, 1000=0.01417, 2500=0.01216, 5000=0.01091, 10000=0.00866, 20000=0.00857, 30000=0.00852, 50000=0.00843, 70000=0.00816, 100000=0.0079, 120000=0.00778, 240000=0.00768 (USD)", Radiation Hardening=No, REACH SVHC=Yes, RoHS=Compliant, Schedule B="8532240020, 8532240020|8532240020, 8532240020|8532240020|8532240020, 8532240020|8532240020|8532240020|8532240020", Stock=38477, Supplier=DigiKey, Termination=SMD/SMT, Voltage Rating (DC)=50V, Width=500µm
C40 C46 C52 C66 C67: library part CC0402JRNPO9BN270, "27 pF ±5% 50V Ceramic Capacitor C0G, NP0 0402 (1005 Metric)", Case Code (Imperial)=0402, Case Code (Metric)=1005, Dielectric=C0G, Dielectric Material=Ceramic, LCSC PN=C107002, Manufacturer="Yageo Group", Max Operating Temperature=125°C, Min Operating Temperature=-55°C, Temperature Coefficient=30ppm/°C, Tolerance=5%, Voltage Rating=50V, Case/Package=0402, Category="Ceramic Capacitors", China RoHS=Compliant, ComponentLink1Description=https://datasheet.octopart.com:443/CC0402JRNPO9BN270-Yageo-datasheet-182140217.pdf?src-supplier=IHS, ComponentLink1URL=https://datasheet.octopart.com:443/CC0402JRNPO9BN270-Yageo-datasheet-182140217.pdf?src-supplier=IHS, ComponentLink2Description=https://datasheet.octopart.com:443/CC0402JRNPO9BN270-Yageo-datasheet-10406438.pdf?src-supplier=element14+APAC, ComponentLink2URL=https://datasheet.octopart.com:443/CC0402JRNPO9BN270-Yageo-datasheet-10406438.pdf?src-supplier=element14+APAC, ComponentLink3Description=https://datasheet.octopart.com:443/CC0402JRNPO9BN270-Yageo-datasheet-67645495.pdf?src-supplier=element14+APAC, ComponentLink3URL=https://datasheet.octopart.com:443/CC0402JRNPO9BN270-Yageo-datasheet-67645495.pdf?src-supplier=element14+APAC, ComponentLink4Description=https://datasheet.octopart.com:443/CC0402JRNPO9BN270-Yageo-datasheet-10882999.pdf?src-supplier=element14+APAC, ComponentLink4URL=https://datasheet.octopart.com:443/CC0402JRNPO9BN270-Yageo-datasheet-10882999.pdf?src-supplier=element14+APAC, ComponentLink5Description=https://datasheet.octopart.com:443/CC0402JRNPO9BN270-Yageo-datasheet-151948684.pdf?src-supplier=Farnell, ComponentLink5URL=https://datasheet.octopart.com:443/CC0402JRNPO9BN270-Yageo-datasheet-151948684.pdf?src-supplier=Farnell, ComponentLink6Description=https://datasheet.octopart.com:443/CC0402JRNPO9BN270-Yageo-datasheet-65873193.pdf?src-supplier=Farnell, ComponentLink6URL=https://datasheet.octopart.com:443/CC0402JRNPO9BN270-Yageo-datasheet-65873193.pdf?src-supplier=Farnell, ComponentLink7Description=https://datasheet.octopart.com:443/CC0402JRNPO9BN270-Yageo-datasheet-137875056.pdf?src-supplier=Future+Electronics, ComponentLink7URL=https://datasheet.octopart.com:443/CC0402JRNPO9BN270-Yageo-datasheet-137875056.pdf?src-supplier=Future+Electronics, ComponentLink8Description=https://datasheet.octopart.com:443/CC0402JRNPO9BN270-Yageo-datasheet-136957424.pdf?src-supplier=Future+Electronics, ComponentLink8URL=https://datasheet.octopart.com:443/CC0402JRNPO9BN270-Yageo-datasheet-136957424.pdf?src-supplier=Future+Electronics, ComponentLink9Description=https://datasheet.octopart.com:443/CC0402JRNPO9BN270-Yageo-datasheet-137700082.pdf?src-supplier=Future+Electronics, ComponentLink9URL=https://datasheet.octopart.com:443/CC0402JRNPO9BN270-Yageo-datasheet-137700082.pdf?src-supplier=Future+Electronics, ComponentLink10Description=https://datasheet.octopart.com:443/CC0402JRNPO9BN270-Yageo-datasheet-78855684.pdf?src-supplier=Future+Electronics, ComponentLink10URL=https://datasheet.octopart.com:443/CC0402JRNPO9BN270-Yageo-datasheet-78855684.pdf?src-supplier=Future+Electronics, ComponentLink11Description=https://datasheet.octopart.com:443/CC0402JRNPO9BN270-Yageo-datasheet-16730043.pdf?src-supplier=Future+Electronics, ComponentLink11URL=https://datasheet.octopart.com:443/CC0402JRNPO9BN270-Yageo-datasheet-16730043.pdf?src-supplier=Future+Electronics, ComponentLink12Description=https://datasheet.octopart.com:443/CC0402JRNPO9BN270-Yageo-datasheet-12589826.pdf?src-supplier=Future+Electronics, ComponentLink12URL=https://datasheet.octopart.com:443/CC0402JRNPO9BN270-Yageo-datasheet-12589826.pdf?src-supplier=Future+Electronics, ComponentLink13Description=https://datasheet.octopart.com:443/CC0402JRNPO9BN270-Yageo-datasheet-181967032.pdf?src-supplier=Newark, ComponentLink13URL=https://datasheet.octopart.com:443/CC0402JRNPO9BN270-Yageo-datasheet-181967032.pdf?src-supplier=Newark, ComponentLink14Description=https://datasheet.octopart.com:443/CC0402JRNPO9BN270-Yageo-datasheet-8817079.pdf?src-supplier=element14, ComponentLink14URL=https://datasheet.octopart.com:443/CC0402JRNPO9BN270-Yageo-datasheet-8817079.pdf?src-supplier=element14, ComponentLink15Description=https://datasheet.octopart.com:443/CC0402JRNPO9BN270-Yageo-datasheet-8324240.pdf?src-supplier=element14, ComponentLink15URL=https://datasheet.octopart.com:443/CC0402JRNPO9BN270-Yageo-datasheet-8324240.pdf?src-supplier=element14, ComponentLink16Description=https://datasheet.octopart.com:443/CC0402JRNPO9BN270-Yageo-datasheet-504625.pdf?src-supplier=element14, ComponentLink16URL=https://datasheet.octopart.com:443/CC0402JRNPO9BN270-Yageo-datasheet-504625.pdf?src-supplier=element14, ComponentLink17Description=https://datasheet.octopart.com:443/CC0402JRNPO9BN270-Yageo-datasheet-5321569.pdf?src-supplier=element14, ComponentLink17URL=https://datasheet.octopart.com:443/CC0402JRNPO9BN270-Yageo-datasheet-5321569.pdf?src-supplier=element14, ComponentLink18Description=http://sigma.octopart.com:80/rohs_statement/Yageo-company-2.pdf?src-supplier=Compliance+Statements, ComponentLink18URL=http://sigma.octopart.com:80/rohs_statement/Yageo-company-2.pdf?src-supplier=Compliance+Statements, ComponentLink19Description=http://sigma.octopart.com:80/conflict_mineral_statement/Yageo-company-3.pdf?src-supplier=Compliance+Statements, ComponentLink19URL=http://sigma.octopart.com:80/conflict_mineral_statement/Yageo-company-3.pdf?src-supplier=Compliance+Statements, Composition=Ceramic, Depth=500µm, Halogen Free="Halogen Free", Height=500µm, Lead Free="Lead Free", Length=1mm, Lifecycle Status=Production, Manufacturer Part Number=CC0402JRNPO9BN270, Mounting Technology="Surface Mount", Number of Terminals=2, Pins=2, Pricing="1=0.1, 10=0.024, 50=0.0156, 100=0.0133, 500=0.00934, 1000=0.00812, 2500=0.00685, 5000=0.00609, 10000=0.00546, 20000=0.00495, 30000=0.0047, 50000=0.0047 (USD)", Radiation Hardening=No, REACH SVHC=Yes, RoHS=Compliant, Schedule B="8532240020, 8532240020|8532240020, 8532240020|8532240020|8532240020, 8532240020|8532240020|8532240020|8532240020", Stock=41685, Supplier=DigiKey, Termination=SMD/SMT, Thickness=558.8µm, Voltage Rating (DC)=50V, Width=500µm